# Altium PCB DataTranslator.PcbDoc
Units mil, origin at the board's own origin, x right, y up, seen from the top; angles counter-clockwise.
Board outline 7897.55 x 3005 mil, 2 copper layers (Top Layer, Bottom Layer), stack 61.855 mil thick; 42 components, 55 nets, 253 pads, 117 vias.
Unrouted connection lines stored in the file: 39.
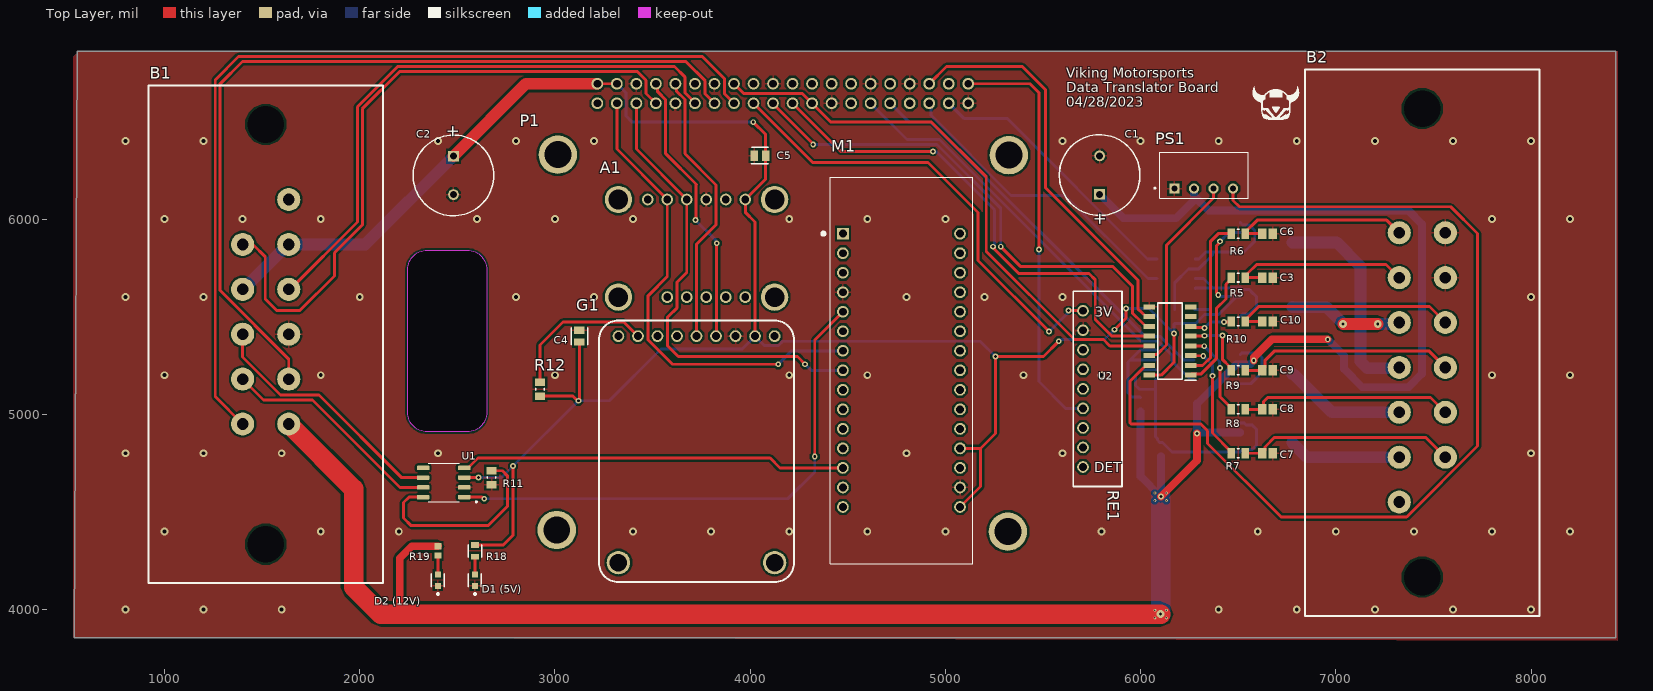
[diagram p0: Top Layer view]
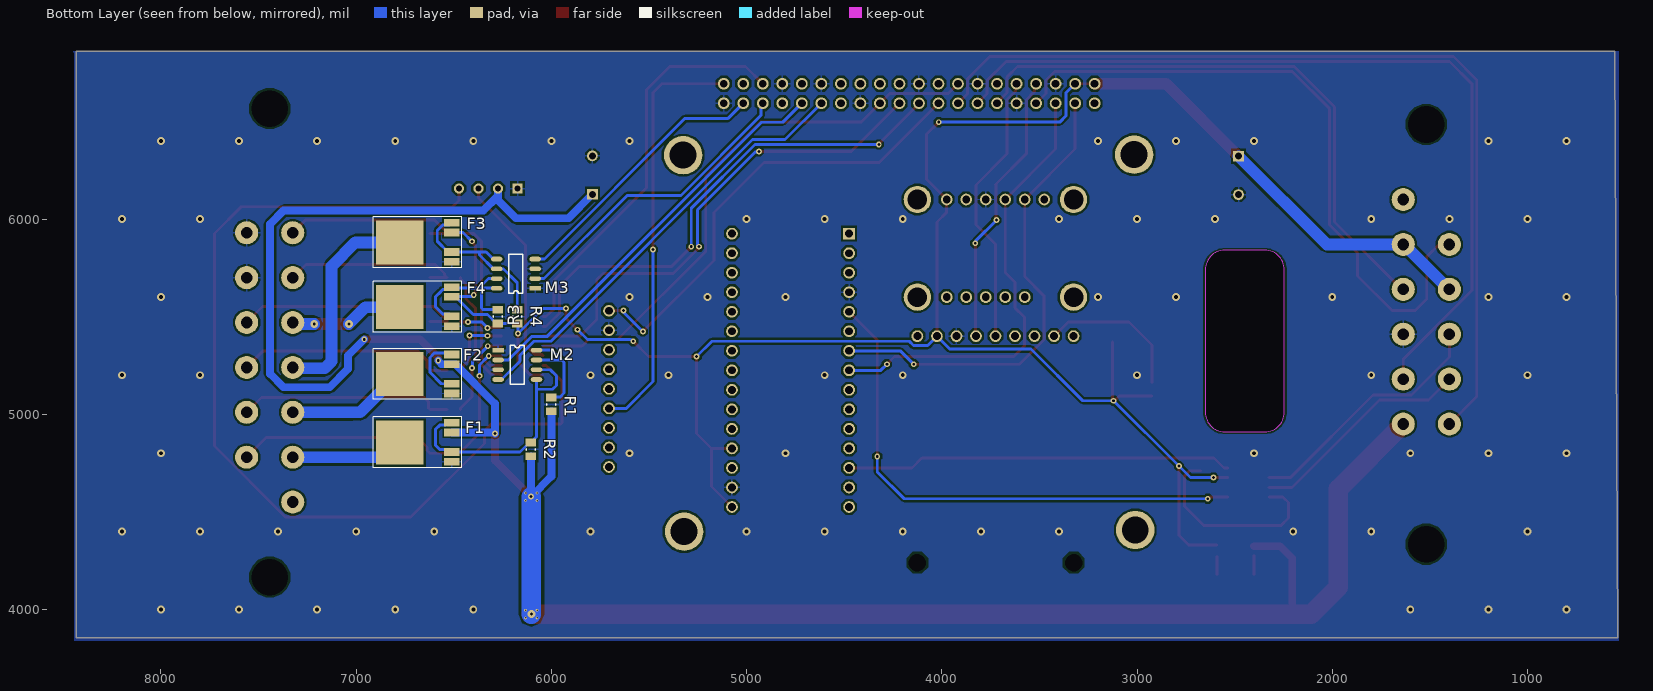
[diagram p1: Bottom Layer view, seen from below]
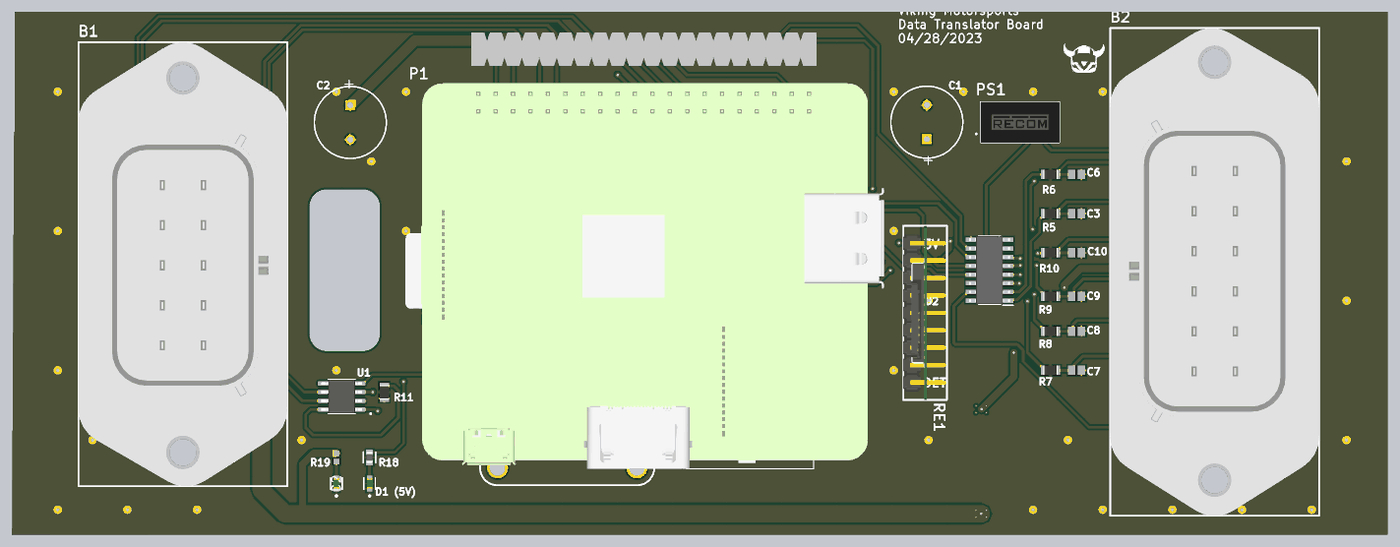
[diagram p2: 3D render of the assembled board from above, using the file's embedded part models]
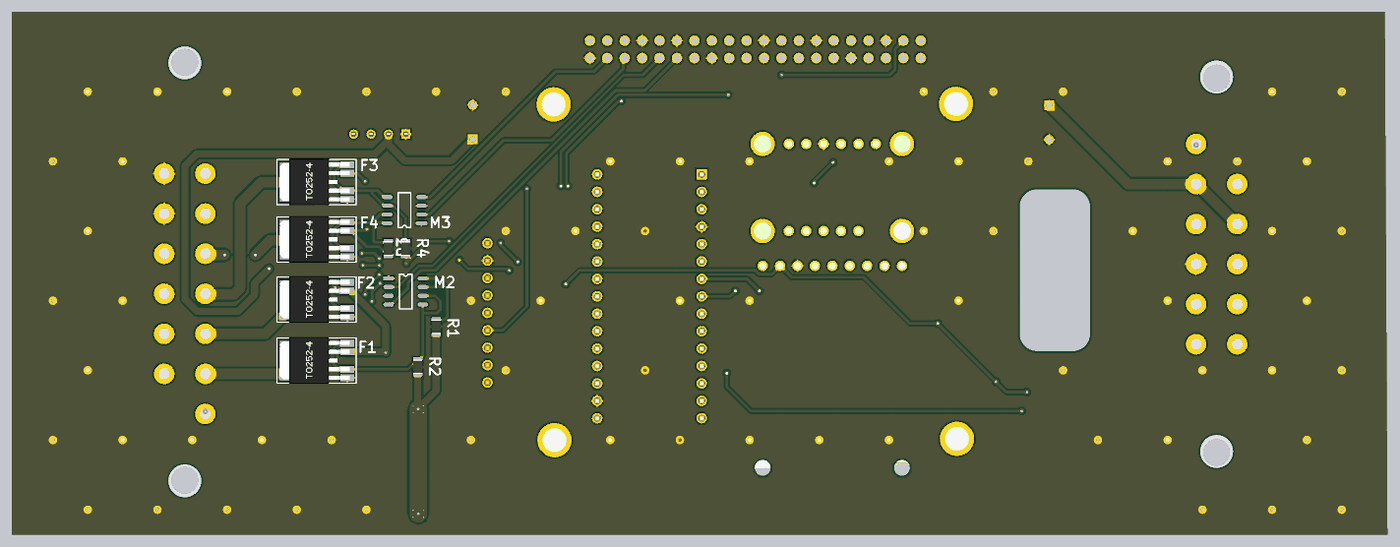
[diagram p3: 3D render of the assembled board from below, using the file's embedded part models]

## Layer stack, top to bottom
Top Solder: solder mask 0.4, Solder Resist, Dk 3.5
Top Layer: signal copper 1.4
Dielectric 1: dielectric 59.0551, FR-4, Dk 4.8
Bottom Layer: signal copper 1.4
Bottom Solder: solder mask 0.4, Solder Resist, Dk 3.5

## Board outline
552.52,6860 8435,6860 8435,3855 537.45,3855
cut-out: 2245,5010 2245,5740 cw(c2345,5740) 2345,5840 2550,5840 cw(c2550,5740) 2650,5740 2650,5010 cw(c2550,5010) 2550,4910 2345,4910 cw(c2345,5010)

## Design rules (kind name [scope] priority, off if disabled: settings)
Clearance [All] p1: gap=10 ignorepadtopadclearanceinfootprint=FALSE except(0: Arc-Hole Track-Hole SMDPad-Hole THPad-Hole Via-Hole Fill-Hole Poly-Hole Region-Hole Text-Hole)
ComponentClearance [All] p1: gap=10 collisioncheckmode=3 verticalgap=0 showdistances=FALSE
Height [All] p1: minheight=0 maxheight=2000 prefheight=1000
PolygonConnect [All] p1: connectstyle=Relief reliefconductorwidth=10 reliefentries=4 polygonreliefangle="90 Angle" airgapwidth=10
RoutingVias [All] p1: holewidth=15 width=30 viastyle="Through Hole" minholewidth=8 minwidth=30 maxholewidth=28 maxwidth=50
SolderMaskExpansion [All] p1: expansion=4 istentingtop=FALSE
Width [All] p1: maxlimit=200 minlimit=15 preferedwidth=60 minimp=50.000000 maximp=50.000000 favimp=50.000000
28 further rules are at their usual default settings.

## Components (designator, comment, footprint, x,y, rotation, side; value= is the part's Value field where it differs from the comment)
A1 "Adafruit LSM6DSOX + LIS3MDL" "4097 Accelerometer" 4125,6100 r180 top
B1 "0194280014" 0194280014 1518.5,6484.33 r270 top
B2 "0194280015" 0194280015 7442.72,4165.35 r90 top
C1 "EEU-FR1C102B" PNSC-EEUFM1H221-2 5790,6225 r90 top
C2 "EEU-FR1C102B" PNSC-EEUFM1H221-2 2480,6223.43 r270 top
C3 "C0805C105K4PACTU" CAPC2013X145X50LL20T25 6650,5700 r0 top
C4 "C0805C106K8PACTU" FP-C0805C-DG-MFG 3125,5400 r90 top value=10uF
C5 "C0805C106K8PACTU" FP-C0805C-DG-MFG 4050,6325 r180 top value=10uF
C6 "C0805C105K4PACTU" CAPC2013X145X50LL20T25 6650,5925 r0 top
C7 "C0805C105K4PACTU" CAPC2013X145X50LL20T25 6650,4800 r0 top
C8 "C0805C105K4PACTU" CAPC2013X145X50LL20T25 6650,5025 r0 top
C9 "C0805C105K4PACTU" CAPC2013X145X50LL20T25 6650,5225 r0 top
C10 "C0805C105K4PACTU" CAPC2013X145X50LL20T25 6650,5475 r0 top
"D1 (5V)" "LTST-C190GKT" FP-LTST-C190GKT-MFG 2590,4150 r90 top (schematic designator D1)
"D2 (12V)" "LTST-C190GKT" FP-LTST-C190GKT-MFG 2400,4150 r90 top (schematic designator D2)
F1 "DMC3021LK4" DMC3021LK4 6657.99,4855 r90 bottom
F2 "DMC3021LK4" DMC3021LK4 6657.99,5205 r90 bottom
F3 "DMC3021LK4" DMC3021LK4 6657.99,5880 r90 bottom
F4 "DMC3021LK4" DMC3021LK4 6657.99,5550 r90 bottom
G1 "1528-1153-ND" GPS 3325,5400 r180 top
M1 "NUCLEO-F303K8" "STM Footprint" 4775,5225 r0 top
M2 "G800N06S2" G800N06S2 6273.03,5327.95 r180 bottom
M3 "G800N06S2" G800N06S2 6083.15,5645 r0 bottom
P1 "Raspberry Pi A+" "Raspberry Pi A+" 3217,6593 r90 top
PS1 "ROE-1205S" ROE-1205S 6325,6225 r0 top
R1 "RC0805FR-0710KL" RESC2013X60X35NL10T20 6000,5050 r270 bottom
R2 "RC0805FR-0710KL" RESC2013X60X35NL10T20 6105,4820 r270 bottom
R3 "RC0805FR-0710KL" RESC2013X60X35NL10T20 6275,5500 r270 bottom
R4 "RC0805FR-0710KL" RESC2013X60X35NL10T20 6175,5500 r270 bottom
R5 "RC0805FR-0710KL" RESC2013X60X35NL10T20 6500,5700 r180 top
R6 "RC0805FR-0710KL" RESC2013X60X35NL10T20 6500,5925 r180 top
R7 "RC0805FR-0710KL" RESC2013X60X35NL10T20 6500,4800 r180 top
R8 "RC0805FR-0710KL" RESC2013X60X35NL10T20 6500,5025 r180 top
R9 "RC0805FR-0710KL" RESC2013X60X35NL10T20 6500,5225 r180 top
R10 "RC0805FR-0710KL" RESC2013X60X35NL10T20 6500,5475 r180 top
R11 "RC0805FR-0710KL" RESC2013X60X35NL10T20 2675,4675 r90 top
R12 "RC0805FR-0710KL" RESC2013X60X35NL10T20 2923.23,5127.95 r90 top
R18 "CRCW0603150RFKEAHP" FP-CRCW0603-HPe3-MFG 2590,4300 r90 top
R19 "ERA3AEB561V" RESC1608X55X30LL20T20 2400,4300 r90 top
RE1 "4682 / 1528-4682-ND" SDCARD 5705,4730 r90 top
U1 "MCP2551-I/SN" "CAN Transceiver" 2430,4650 r180 top
U2 "MCP3008-I_SL" SOIC127P600X175-16N 6150,5375 r180 top

## Footprints (in the part's own frame and the unit in brackets; to place one, negate y for a bottom-side part, rotate by r counter-clockwise, add the part's x,y. Pads: shape width x height; smd on the part's side, far side on the other; paste and mask are expansions set on the pad)
"4097 Accelerometer" [mil]
  round 60 hole 40 unplated: 1(150,0) 2(250,0) 3(350,0) 4(450,0) 5(550,0) 6(650,0) ""(150,500) ""(250,500) ""(350,500) ""(450,500) ""(550,500)
  round 140 hole 100 unplated: ""(-0.08,0) ""(0,500) ""(800,500) ""(800,0)
0194280014 [mm]
  round 3 hole 1.52 unplated: 1(15.61,2.99) 2(21.45,2.99) 3(27.29,2.99) 4(33.13,2.99) 5(38.97,2.99) 6(15.61,-3.01) 7(21.45,-3.01) 8(27.29,-3.01) 9(33.13,-3.01) 10(38.97,-3.01) ""(9.77,2.99)
  rect 0x0 hole 4.78 unplated: ""(0,0) ""(54.61,0)
  silkscreen extent -5.07,-15.24 59.68,15.24, body extent -5.06,-15.24 59.66,15.24, height 27.78
0194280015 [mm]
  round 3 hole 1.52 unplated: 1(15.61,2.99) 2(21.45,2.99) 3(27.29,2.99) 4(33.13,2.99) 5(38.97,2.99) 6(44.81,2.99) 7(15.61,-3.01) 8(21.45,-3.01) 9(27.29,-3.01) 10(33.13,-3.01) 11(38.97,-3.01) 12(44.81,-3.01) ""(9.77,2.99)
  rect 0x0 hole 4.78 unplated: ""(0,0) ""(60.96,0)
  silkscreen extent -5.08,-15.24 66.04,15.24, body extent -5.08,-15.24 65.99,15.24, height 27.78
"CAN Transceiver" [mm]
  rrect25% 1.58x0.6 smd: 1(-2.67,1.905) 2(-2.67,0.635) 3(-2.67,-0.635) 4(-2.67,-1.905) 5(2.67,-1.905) 6(2.67,-0.635) 7(2.67,0.635) 8(2.67,1.905)
  silkscreen extent -4.35,-2.52 1.99,2.6, body extent -3,-2.45 3,2.45, height 1.76
CAPC2013X145X50LL20T25 [mm] "Chip Capacitor, 2-Leads, Body 2.00x1.25mm, IPC High Density"
  rect 1.1x1.35 smd: 1(-0.7,0) 2(0.7,0)
  body extent -1.1,-0.72 1.1,0.72, height 1.45
DMC3021LK4 [mm]
  rect 1x2 smd: 1(1.3,-3.75) 2(2.57,-3.75) 3(-2.51,-3.75) 4(-1.24,-3.75)
  rect 5.73x6.17 smd: 5(0,3)
  silkscreen extent -3.27,-5.05 3.33,6.48, body extent -3.35,-4.1 3.45,6.1, height 2.4
FP-C0805C-DG-MFG [mm]
  rect 0.95x1.35 smd paste+0 mask+0: 1(-0.75,0) 2(0.75,0)
  silkscreen extent -1.11,-1.08 1.1,1.07, body extent -1.4,-0.85 1.4,0.85, height 0.25
FP-CRCW0603-HPe3-MFG [mm]
  rect 0.75x1 smd paste+0 mask+0: 1(-0.75,0) 2(0.75,0)
  silkscreen extent -0.8,-0.9 0.8,0.9, body extent -1.22,-0.6 1.22,0.6, height 0.25
FP-LTST-C190GKT-MFG [mm]
  rect 0.8x0.8 smd paste+0 mask+0: 1(-0.75,0) 2(0.75,0)
  silkscreen extent -1.92,-0.85 0.85,0.85, body extent -1.25,-0.55 1.25,0.55, height 0.25
G800N06S2 [mm]
  rect 1.5x0.6 smd: 1(0,0)
  oval 1.5x0.6 smd: 2(0,-1.27) 3(0,-2.54) 4(0,-3.81) 5(5,-3.81) 6(5,-2.54) 7(5,-1.27) 8(5,0)
  silkscreen extent 1.58,-4.45 3.42,0.63
GPS [mil]
  round 60 hole 40: 1(0,0) 2(-100,0) 3(-200,0) 4(-300,0) 5(-400,0) 6(-500,0) 7(-600,0) 8(-700,0) 9(-800,0)
  round 120 / inner round 60 / far side round 60 hole 90: ""(-800,1160) ""(0,1160)
  silkscreen extent -900,-80 100,1260
PNSC-EEUFM1H221-2 [mm] "THD, 2-Leads, Dia 10.5mm, Body Length 17.5mm, Pin Spacing 5mm"
  rect 1.4x1.4 hole 0.9: 1(-2.5,0)
  round 1.4 hole 0.9: 2(2.5,0)
  silkscreen extent -5.25,-5.25 5.25,5.25, body extent -5.25,-5.25 5.25,5.25, height 17.5
"Raspberry Pi A+" [mm]
  round 1.53 hole 1.02: 1(0,0) 2(2.54,0) 3(0,-2.54) 4(2.54,-2.54) 5(0,-5.08) 6(2.54,-5.08) 7(0,-7.62) 8(2.54,-7.62) 9(0,-10.16) 10(2.54,-10.16) 11(0,-12.7) 12(2.54,-12.7) 13(0,-15.24) 14(2.54,-15.24) 15(0,-17.78) 16(2.54,-17.78) 17(0,-20.32) 18(2.54,-20.32) 19(0,-22.86) 20(2.54,-22.86) 21(0,-25.4) 22(2.54,-25.4) 23(0,-27.94) 24(2.54,-27.94) 25(0,-30.48) 26(2.54,-30.48) 27(0,-33.02) 28(2.54,-33.02) 29(0,-35.56) 30(2.54,-35.56) 31(0,-38.1) 32(2.54,-38.1) 33(0,-40.64) 34(2.54,-40.64) 35(0,-43.18) 36(2.54,-43.18) 37(0,-45.72) 38(2.54,-45.72) 39(0,-48.26) 40(2.54,-48.26)
  round 5 hole 3.5: ""(-55.728,-53.416) ""(-55.524,5.283) ""(-6.756,-53.543) ""(-6.68,5.131)
  body extent -59.9,-59.09 3.71,10.68, height 8.38
RESC1608X55X30LL20T20 [mm] "Chip Resistor, 2-Leads, Body 1.60x0.80mm, IPC High Density"
  rect 0.8x0.9 smd: 1(-0.6,0) 2(0.6,0)
  body extent -0.9,-0.5 0.9,0.5, height 0.55
RESC2013X60X35NL10T20 [mm] "Chip Resistor, 2-Leads, Body 2.1x1.35mm, IPC Medium Density"
  rect 1x1.35 smd: 1(-0.9,0) 2(0.9,0)
  silkscreen extent -0.1,-0.58 0.1,0.58, body extent -1.05,-0.68 1.05,0.67, height 0.6
ROE-1205S [mm]
  rect 1.338x1.338 hole 0.83: 1(-3.85,-1.75)
  round 1.338 hole 0.83: 2(-1.31,-1.75) 3(1.23,-1.75) 4(3.77,-1.75)
  silkscreen extent -6.49,-3 5.75,3, body extent -5.75,-3 5.75,3, height 9.5
SDCARD [mil]
  round 60 hole 40 unplated: 1(0,0) 2(100,0) 3(200,0) 4(300,0) 5(400,0) 6(500,0) 7(600,0) 8(700,0) 9(800,0)
  silkscreen extent -100,-200 900,50, body extent -100,-198 900,50, height 1035
SOIC127P600X175-16N [mm]
  rect 1.5x0.65 smd: 1(-2.7,4.445) 2(-2.7,3.175) 3(-2.7,1.905) 4(-2.7,0.635) 5(-2.7,-0.635) 6(-2.7,-1.905) 7(-2.7,-3.175) 8(-2.7,-4.445) 9(2.7,-4.445) 10(2.7,-3.175) 11(2.7,-1.905) 12(2.7,-0.635) 13(2.7,0.635) 14(2.7,1.905) 15(2.7,3.175) 16(2.7,4.445)
  silkscreen extent -3.45,-4.95 1.6,5.12, body extent -10,-3.38 10,3.38, height 5.8
"STM Footprint" [mm]
  rect 1.53x1.53 hole 1.02: 1(-7.62,17.78)
  round 1.53 hole 1.02: 2(-7.62,15.24) 3(-7.62,12.7) 4(-7.62,10.16) 5(-7.62,7.62) 6(-7.62,5.08) 7(-7.62,2.54) 8(-7.62,0) 9(-7.62,-2.54) 10(-7.62,-5.08) 11(-7.62,-7.62) 12(-7.62,-10.16) 13(-7.62,-12.7) 14(-7.62,-15.24) 15(-7.62,-17.78) 16(7.62,-17.78) 17(7.62,-15.24) 18(7.62,-12.7) 19(7.62,-10.16) 20(7.62,-7.62) 21(7.62,-5.08) 22(7.62,-2.54) 23(7.62,0) 24(7.62,2.54) 25(7.62,5.08) 26(7.62,7.62) 27(7.62,10.16) 28(7.62,12.7) 29(7.62,15.24) 30(7.62,17.78)
  silkscreen extent -10.36,-25.14 9.27,25.14, body extent -9.27,-24.29 9.27,27.71, height 8.51

## Part data
A1: library part 4097, "ADXL343 - TRIPLE-AXIS ACCELEROMETER", Manufacturer="Adafruit Industries", Supplier Part Number=485-4097, Manufacturer Part Number=4097, Pricing="1=5.95, 10=5.95, 50=5.95, 100=5.95, 1000=5.95, 10000=5.95 (USD)", RoHS=No, Stock=330, Supplier=Mouser
B1: "Combination Line Connector, 10 Contact(s), Male, Solder Terminal", Insulation Color=Black, Manufacturer=Molex, Manufacturer Series=19428, Supplier Part Number=538-19428-0014, Category=Uncategorized, ComponentLink1Description=https://datasheet.ciiva.com:443/pdfs/VipMasterIC/IC/MOLE/MOLE-S-A0006767587/MOLE-S-A0006776083-1.pdf?src-supplier=IHS+Markit, ComponentLink1URL=https://datasheet.ciiva.com:443/pdfs/VipMasterIC/IC/MOLE/MOLE-S-A0006767587/MOLE-S-A0006776083-1.pdf?src-supplier=IHS+Markit, ComponentLink2Description=https://datasheet.ciiva.com/41799/194280014-sd-41799129.pdf?src-supplier=Digi-Key, ComponentLink2URL=https://datasheet.ciiva.com/41799/194280014-sd-41799129.pdf?src-supplier=Digi-Key, ComponentLink3Description=https://datasheet.ciiva.com/10081/0194280014-pcb-headers-10081631.pdf?src-supplier=Avnet, ComponentLink3URL=https://datasheet.ciiva.com/10081/0194280014-pcb-headers-10081631.pdf?src-supplier=Avnet, Connector Type="COMBINATION LINE CONNECTOR", Contact Finish - Mating="NOT SPECIFIED", Contact Finish - Termination="TIN OVER NICKEL", Contact Gender=Male, Contact Pattern=RECTANGULAR, Insulation Material=Polybutylene, Manufacturer Part Number=0194280014, Mating Contact Pitch=0.23inch, Mounting Option 1=LOCKING, Mounting Style=STRAIGHT, Mounting Technology=Board, Number Of Connectors=1, Number of Contacts=10, Number Of PCB Rows=2, Number of Rows Loaded=2, PCB Contact Pattern=RECTANGULAR, PCB Contact Row Spacing=5.9944mm, Plating Thickness=100uin, Pricing="1=6.21, 10=5.7, 50=5.7, 100=4.98, 1000=4.6, 10000=4.6 (USD)", Reach SVHC Compliant=Yes, Reference Standard=UL, Reliability=COMMERCIAL, RoHS=Yes, RoHS Compliant=Yes, Stock=2675, Supplier=Mouser, Terminal Pitch=5.842mm, Termination=Solder
B2: "Combination Line Connector", Insulation Color=Black, Manufacturer=Molex, Manufacturer Part Number=0194280014, Manufacturer Series=19428, Supplier Part Number=538-19428-0014, Category=Uncategorized, ComponentLink1Description=https://datasheet.ciiva.com:443/pdfs/VipMasterIC/IC/MOLE/MOLE-S-A0006767587/MOLE-S-A0006776083-1.pdf?src-supplier=IHS+Markit, ComponentLink1URL=https://datasheet.ciiva.com:443/pdfs/VipMasterIC/IC/MOLE/MOLE-S-A0006767587/MOLE-S-A0006776083-1.pdf?src-supplier=IHS+Markit, ComponentLink2Description=https://datasheet.ciiva.com/41799/194280014-sd-41799129.pdf?src-supplier=Digi-Key, ComponentLink2URL=https://datasheet.ciiva.com/41799/194280014-sd-41799129.pdf?src-supplier=Digi-Key, ComponentLink3Description=https://datasheet.ciiva.com/10081/0194280014-pcb-headers-10081631.pdf?src-supplier=Avnet, ComponentLink3URL=https://datasheet.ciiva.com/10081/0194280014-pcb-headers-10081631.pdf?src-supplier=Avnet, ComponentLink4Description=https://datasheet.ciiva.com:443/pdfs/VipMasterIC/IC/MOLE/MOLES064408/MOLES064297-1.pdf?src-supplier=IHS+Markit, ComponentLink4URL=https://datasheet.ciiva.com:443/pdfs/VipMasterIC/IC/MOLE/MOLES064408/MOLES064297-1.pdf?src-supplier=IHS+Markit, ComponentLink5Description=https://datasheet.ciiva.com/6846/194280031-sd-6846247.pdf?src-supplier=Digi-Key, ComponentLink5URL=https://datasheet.ciiva.com/6846/194280031-sd-6846247.pdf?src-supplier=Digi-Key, ComponentLink6Description=https://datasheet.ciiva.com/9467/0194280015-pcb-headers-9467422.pdf?src-supplier=Avnet, ComponentLink6URL=https://datasheet.ciiva.com/9467/0194280015-pcb-headers-9467422.pdf?src-supplier=Avnet, Connector Type="COMBINATION LINE CONNECTOR", Contact Finish - Mating="NOT SPECIFIED", Contact Finish - Termination="TIN OVER NICKEL", Contact Gender=Male, Contact Pattern=RECTANGULAR, Insulation Material=Polybutylene, Mating Contact Pitch=0.23inch, Mounting Option 1=LOCKING, Mounting Style=STRAIGHT, Mounting Technology=Board, Number Of Connectors=1, Number of Contacts=10, Number Of PCB Rows=2, Number of Rows Loaded=2, PCB Contact Pattern=RECTANGULAR, PCB Contact Row Spacing=5.9944mm, Plating Thickness=100uin, Pricing="1=6.21, 10=5.7, 50=5.7, 100=4.98, 1000=4.6, 10000=4.6 (USD)", Reach SVHC Compliant=Yes, Reference Standard=UL, Reliability=COMMERCIAL, RoHS=Yes, RoHS Compliant=Yes, Stock=2675, Supplier=Mouser, Terminal Pitch=5.842mm, Termination=Solder
C1 C2: library part CMP-2000-05313-1, "Aluminum Electrolytic Capacitor, 1000 uF, +/- 20%, 16 V, -40 to 105 degC, 2-Pin THD, RoHS, Tape and Reel", Capacitance=1000µF, Case Size/Dimension=Ø10x16mm, Lifetime@Temperature=8000Hrs@105degC, Manufacturer=Panasonic, Operating Temp Range=-40to+105degC, Operating Temp-Max=105degC, Rated Voltage=16V, Ripple Current=1790mA, Datasheet URL=http://www.produktinfo.conrad.com/datenblaetter/425000-449999/446746-da-01-en-ALU_KONDENSATOR_FR_R_1000_UF_16V.pdf, Datasheet Version=Nov-11, Impedance=0.028O, Manufacturer URL=http://www.panasonic.com/, Series=FR, Type=Radial
C3 C6 C7 C8 C9 C10: library part CMP-1036-04746-2, Manufacturer=Kemet, Part Number=C0805C105K4PACTU
C4 C5: library part CMP-2007-03243-2, "CAP CER 10UF 10V X5R 0805", 3DS Part Number=220-00001, Capacitance=10uF, Manufacturer=Kemet, Package=C0805C-DG, Temperature="-55°C to +85°C", Temperature Characteristic=X5R, Temperature Coefficient=15%, Temperature Range High=+85°C, Temperature Range Low=-55°C, Tolerance=10%, Voltage=10V, Automotive=No, Category=Cap, ComponentLink2Description=Datasheet, ComponentLink2URL=https://content.kemet.com/datasheets/KEM_C1006_X5R_SMD.pdf, Device Class L1="Passive Components", Device Class L2=Capacitors, Device Class L3="Ceramic Capacitors", Digikey Description="CAP CER 10UF 10V X5R 0805", Height=1.4mm, Ipc Land Pattern Name=CAPC200125X125, Lead Free=Yes, Manufacturer Part Number=C0805C106K8PACTU, Material=Ceramic, Mouser Description="CAP CER 10UF 10V X5R 0805", Octopart=https://octopart.com/c0805c106k8pactu-kemet-98697, RoHS=TRUE, Voltage Rating=10V
"D1 (5V)" "D2 (12V)": library part CMP-22017-000005-2, "LED GREEN CLEAR CHIP SMD", Case Code (Imperial)=0603, Case Code (Metric)=1608, Color=Green, Forward Current=30mA, Forward Voltage=2.1V, Lens Color=Colorless, Max Operating Temperature=85°C, Min Operating Temperature=-55°C, Package Quantity=1, Power Dissipation=100mW, Reverse Voltage=5V, Test Current=10mA, Voltage=2V, Case/Package=0603, Depth=0.8mm, Dominant Wavelength=569nm, Height=0.8mm, Illumination Color=Green, Lead Free="Lead Free", Length=1.6mm, Lens Style=Clear, Lens Transparency=Clear, Luminous Intensity=6mcd, Mount="Surface Mount", Number of Elements=1, Number of LEDs=1, Number of Pins=2, Packaging="Tape and Reel", Power Rating=100mW, Radiation Hardening=No, Viewing Angle=130°, Wavelength=565nm, Width=0.8mm
F1 F2 F3 F4: "Power Field-Effect Transistor, 6.7A I(D), 30V, 0.021ohm, 2-Element, N-Channel and P-Channel, Silicon, Metal-oxide Semiconductor FET", Drain Current-Max (Abs) (ID)=14A, Drain Current-Max (ID)=6.7A, Drain-source On Resistance-Max=21mR, DS Breakdown Voltage-Min=30V, Manufacturer=Diodes, Manufacturer Part Number=DMC3021LK4-13, Max Operating Temperature=150°C, Operating Mode="ENHANCEMENT MODE", Package Body Material=Plastic, Package Shape=Rectangular, Package Style="SMALL OUTLINEMeter", Peak Reflow Temperature (Cel)=260°C, Power Dissipation-Max (Abs)=22W, Pulsed Drain Current-Max (IDM)=40A, Supplier Part Number=DMC3021LK4-13DICT-ND, Time @ Peak Reflow Temperature-Max (s)=40s, Additional Feature="HIGH RELIABILITY", Category=MOSFETs, ComponentLink1Description=https://datasheet.ciiva.com:443/pdfs/VipMasterIC/IC/DIOD/DIODS21602/DIODS21602-1.pdf?src-supplier=IHS+Markit, ComponentLink1URL=https://datasheet.ciiva.com:443/pdfs/VipMasterIC/IC/DIOD/DIODS21602/DIODS21602-1.pdf?src-supplier=IHS+Markit, ComponentLink2Description=https://datasheet.ciiva.com/6386/dmc3021lk4-6386737.pdf?src-supplier=Digi-Key, ComponentLink2URL=https://datasheet.ciiva.com/6386/dmc3021lk4-6386737.pdf?src-supplier=Digi-Key, ComponentLink3Description=https://datasheet.ciiva.com/4443/dmc3021lk4-80786-4443001.pdf?src-supplier=Mouser, ComponentLink3URL=https://datasheet.ciiva.com/4443/dmc3021lk4-80786-4443001.pdf?src-supplier=Mouser, ComponentLink4Description=https://datasheet.ciiva.com/930/dmc3021lk4-930444.pdf?src-supplier=Digi-Key, ComponentLink4URL=https://datasheet.ciiva.com/930/dmc3021lk4-930444.pdf?src-supplier=Digi-Key, ComponentLink5Description=https://datasheet.ciiva.com/6386/dmc3021lk4-6386734.pdf?src-supplier=Digi-Key, ComponentLink5URL=https://datasheet.ciiva.com/6386/dmc3021lk4-6386734.pdf?src-supplier=Digi-Key, ComponentLink6Description=https://datasheet.ciiva.com/11174/dmc3021lk4-11174949.pdf?src-supplier=Avnet, ComponentLink6URL=https://datasheet.ciiva.com/11174/dmc3021lk4-11174949.pdf?src-supplier=Avnet, FET Technology="METAL-OXIDE SEMICONDUCTOR", JESD-609 Code=e3, Moisture Sensitivity Level=1, Number of Elements=2, Pins=4, Polarity/Channel Type=N-CHANNEL,P-CHANNEL, Pricing="1=0.63, 10=0.536, 100=0.4004, 500=0.31462, 1000=0.24312 (USD)", Reach SVHC Compliant=Yes, RoHS=Yes, RoHS Compliant=Yes, Stock=2345, Supplier=Digi-Key, Surface Mount=Yes, Terminal Finish=Tin, Terminal Form="Gull Wing", Terminal Position=SINGLE, Transistor Application=SWITCHING, Transistor Element Material=SILICON